# Altium PCB USB3.2_Hub_4Port.PcbDoc (part 1 of 4)
Units mm, origin at the board's own origin, x right, y up, seen from the top; angles counter-clockwise.
Board outline 100 x 50 mm, 6 copper layers (Top Layer, Int1 (GND), Int2 (Sign), Int3 (PWR), Int4 (GND), Bottom Layer), stack 1.484 mm thick; 182 components, 122 nets, 691 pads, 1354 vias.
Unrouted connection lines stored in the file: 48.
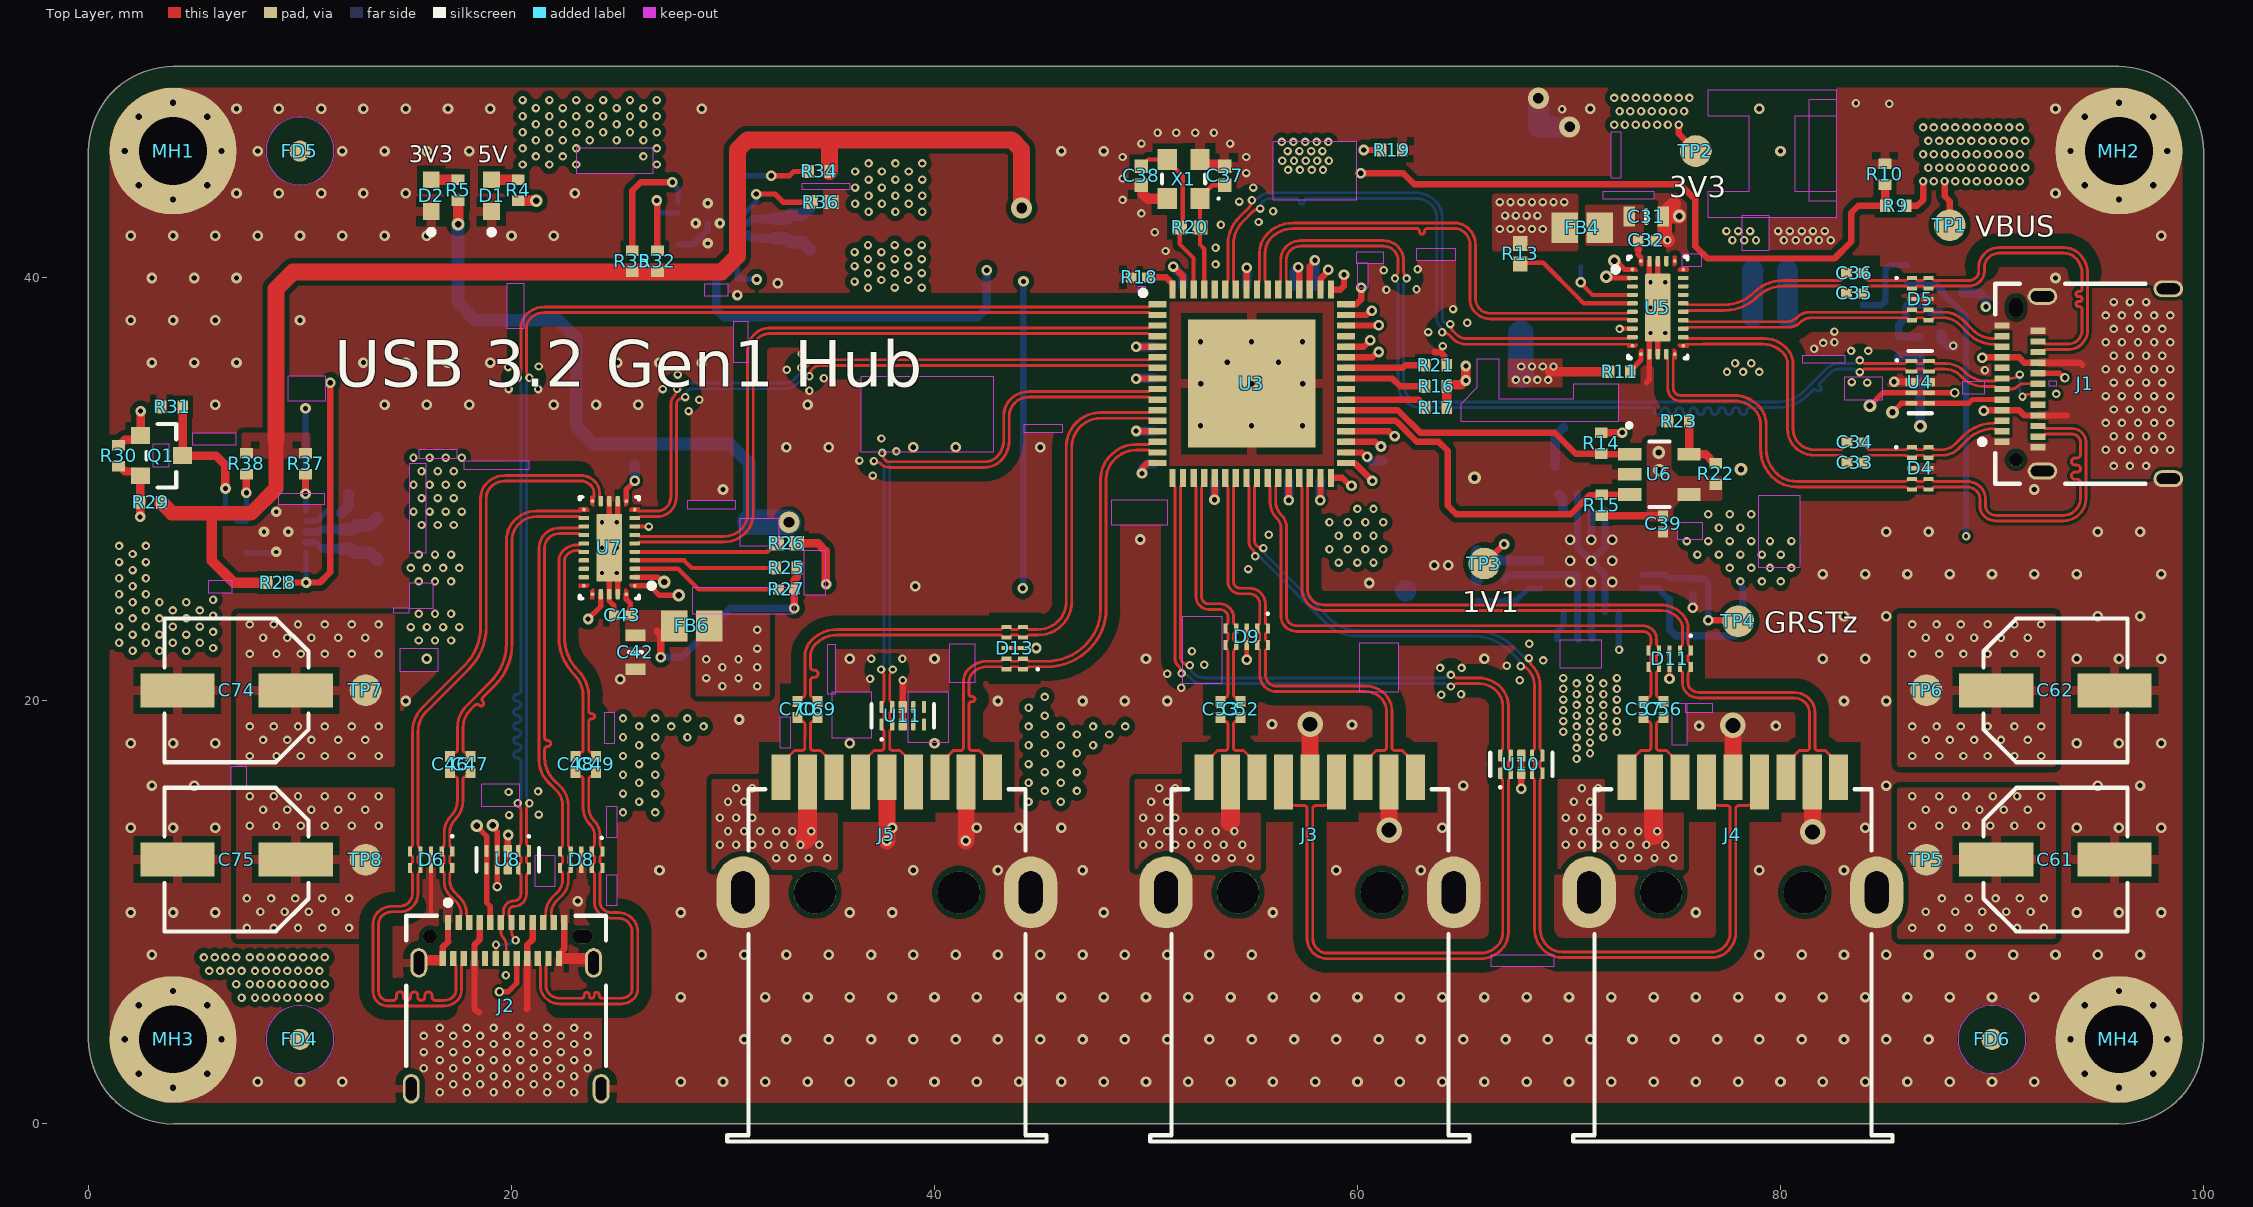
[diagram p0: Top Layer view]
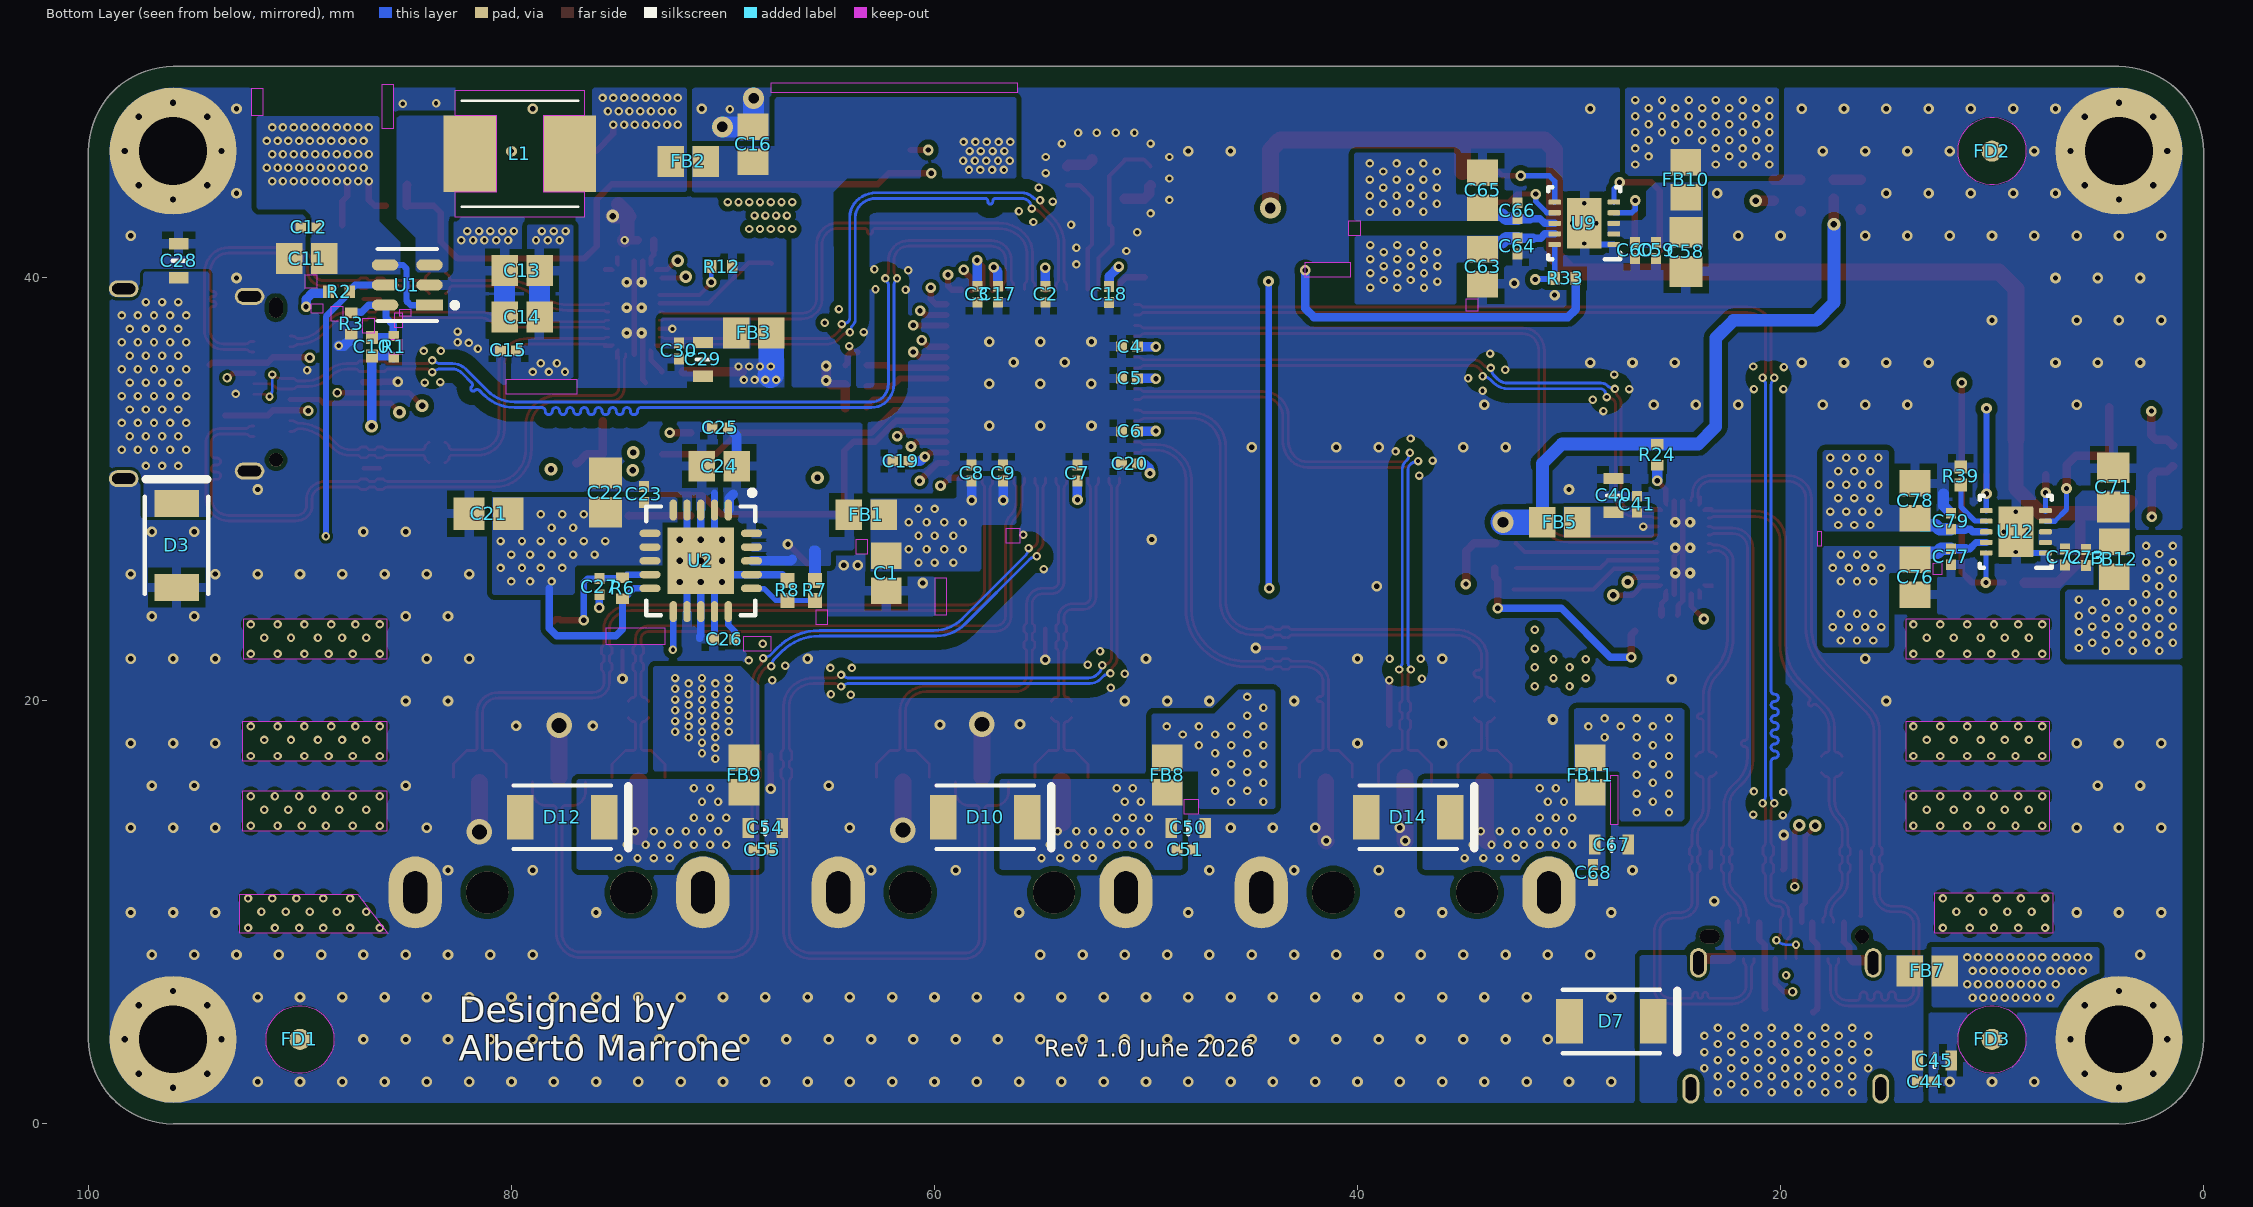
[diagram p1: Bottom Layer view, seen from below]
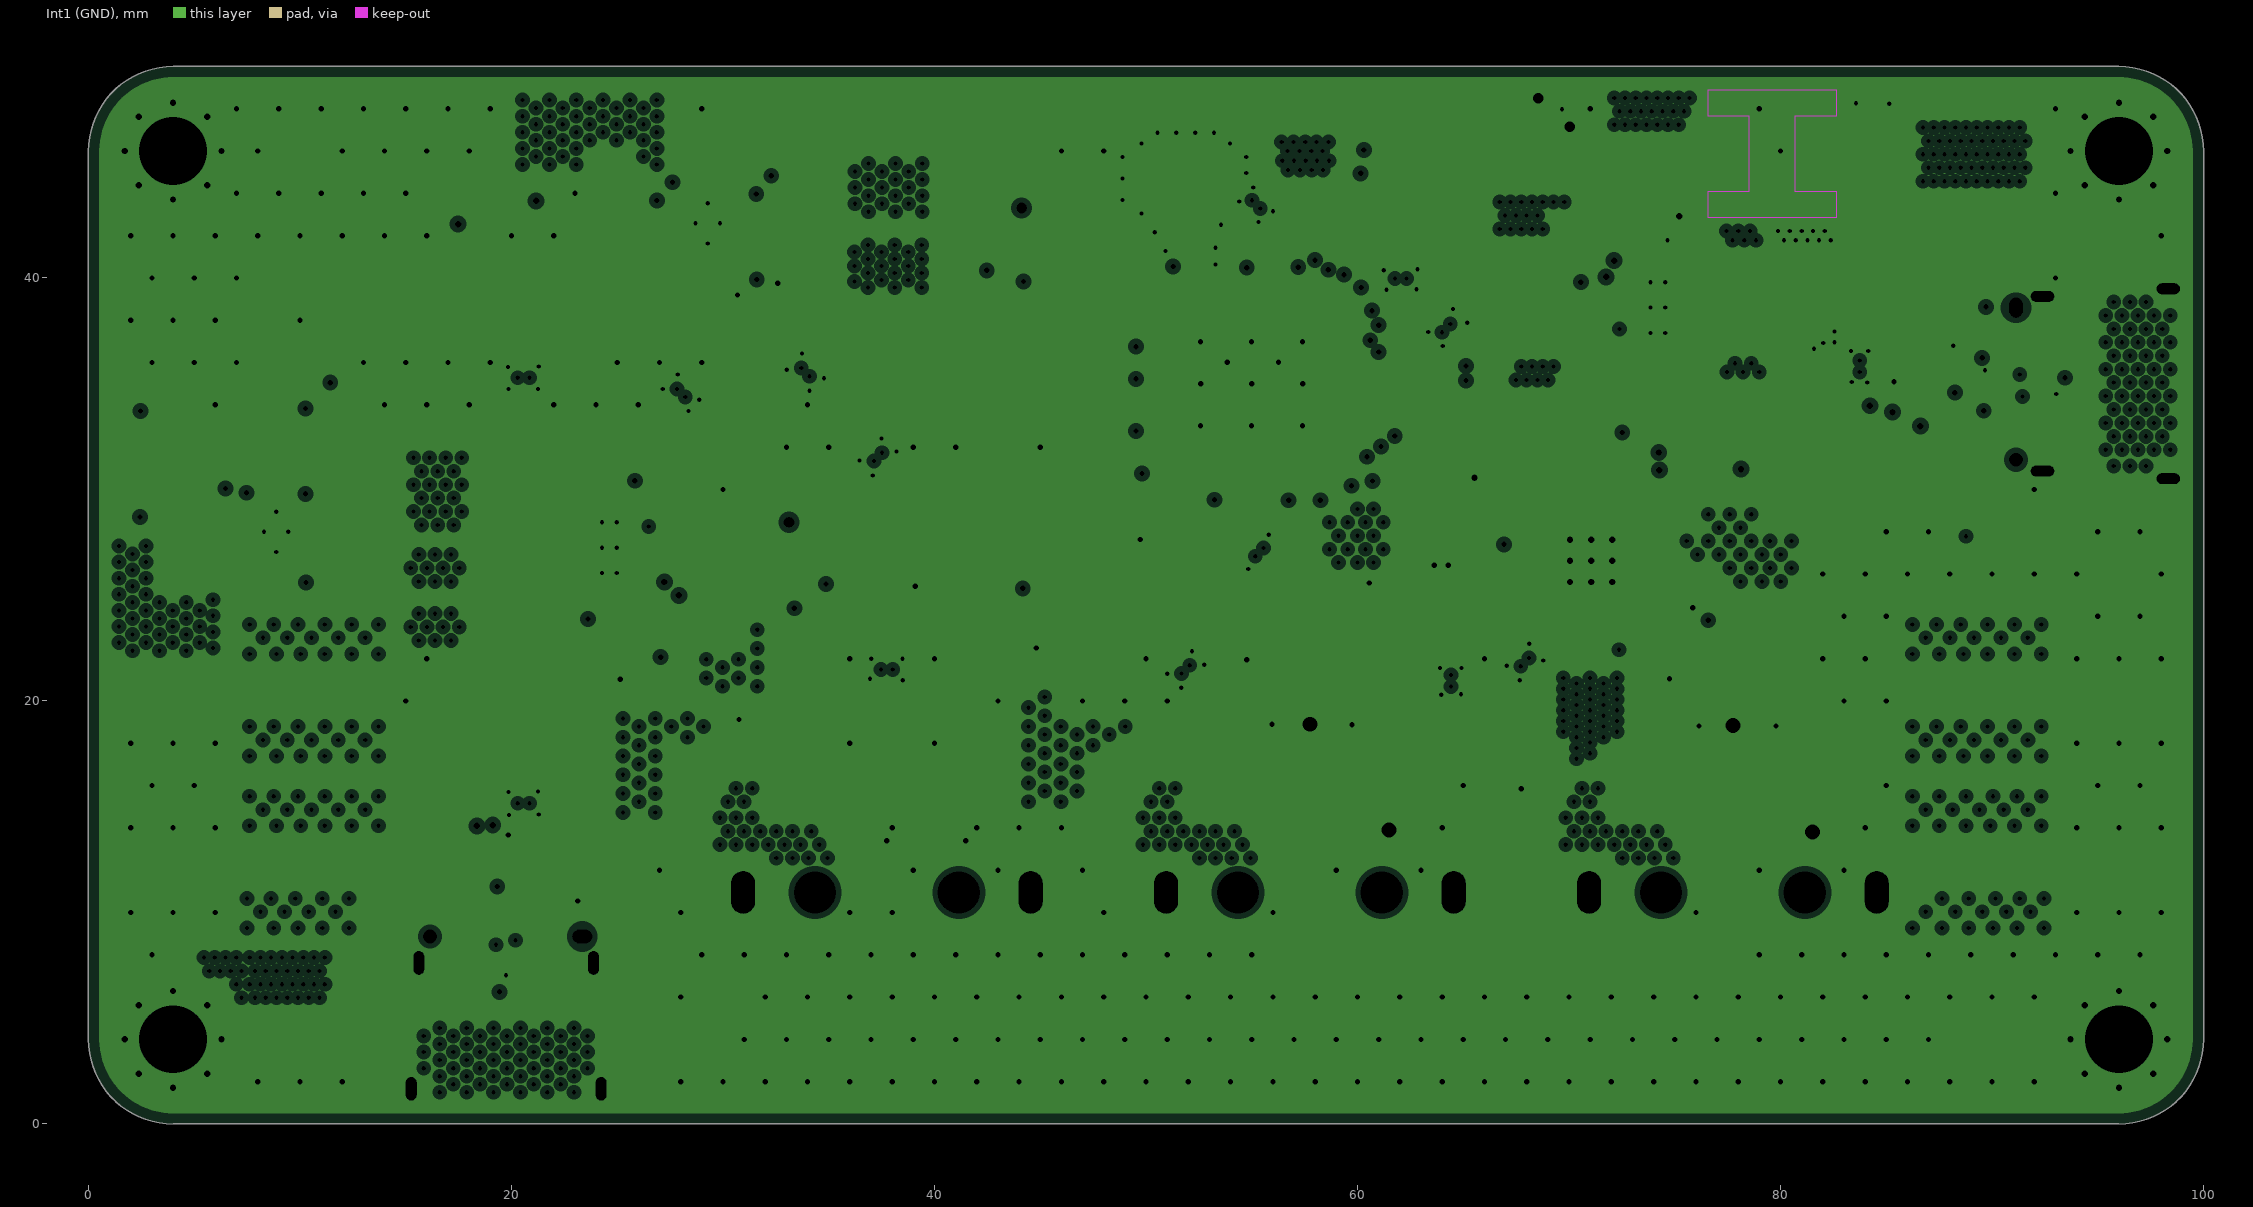
[diagram p2: Int1 (GND), clearances drawn from the general rule]
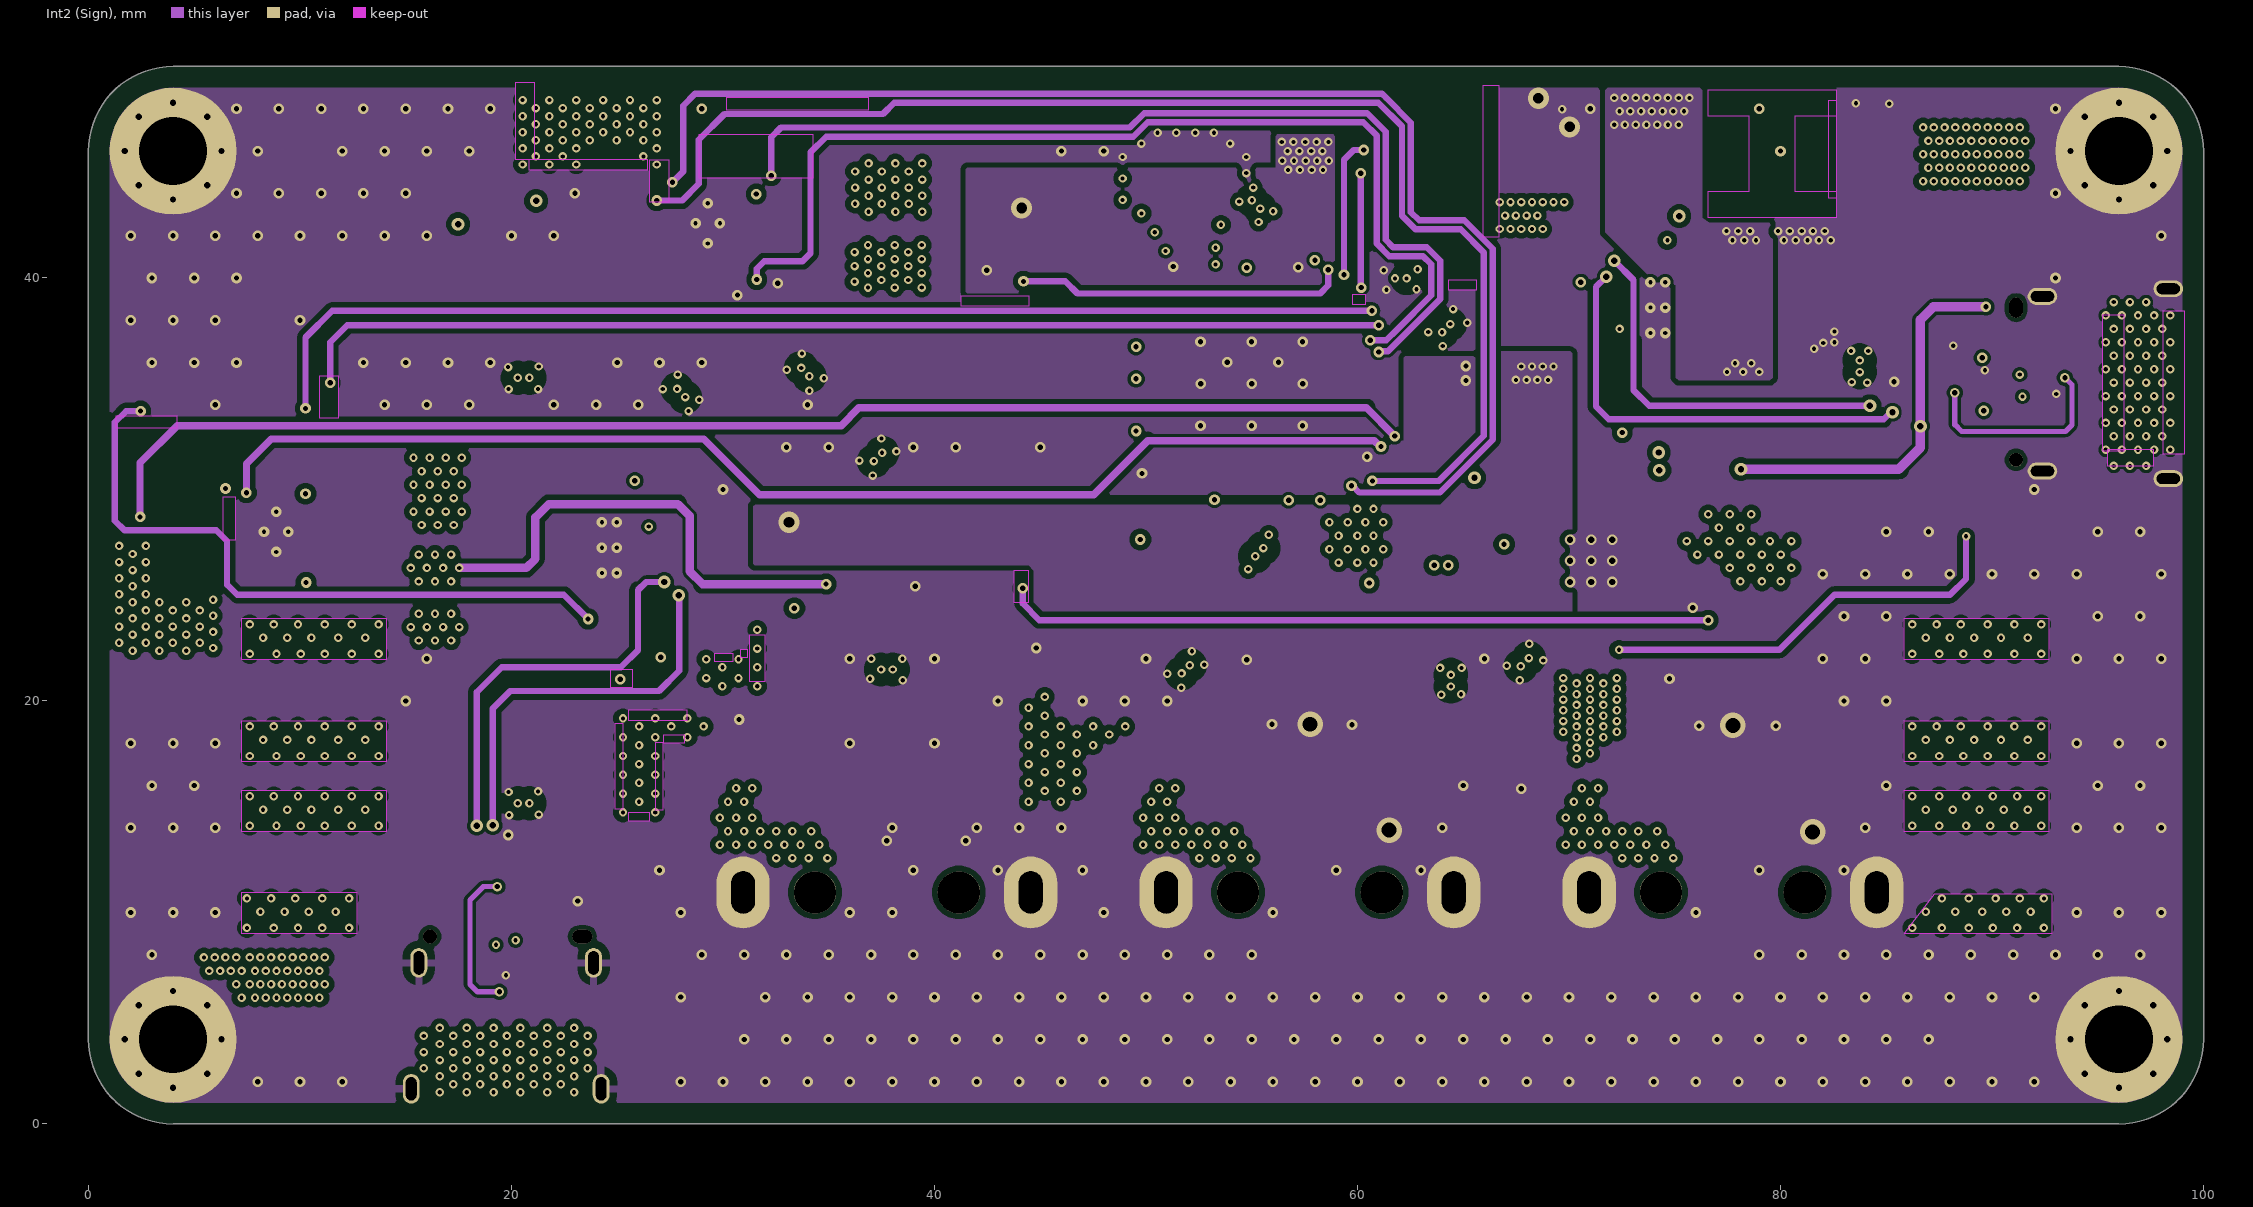
[diagram p3: Int2 (Sign)]
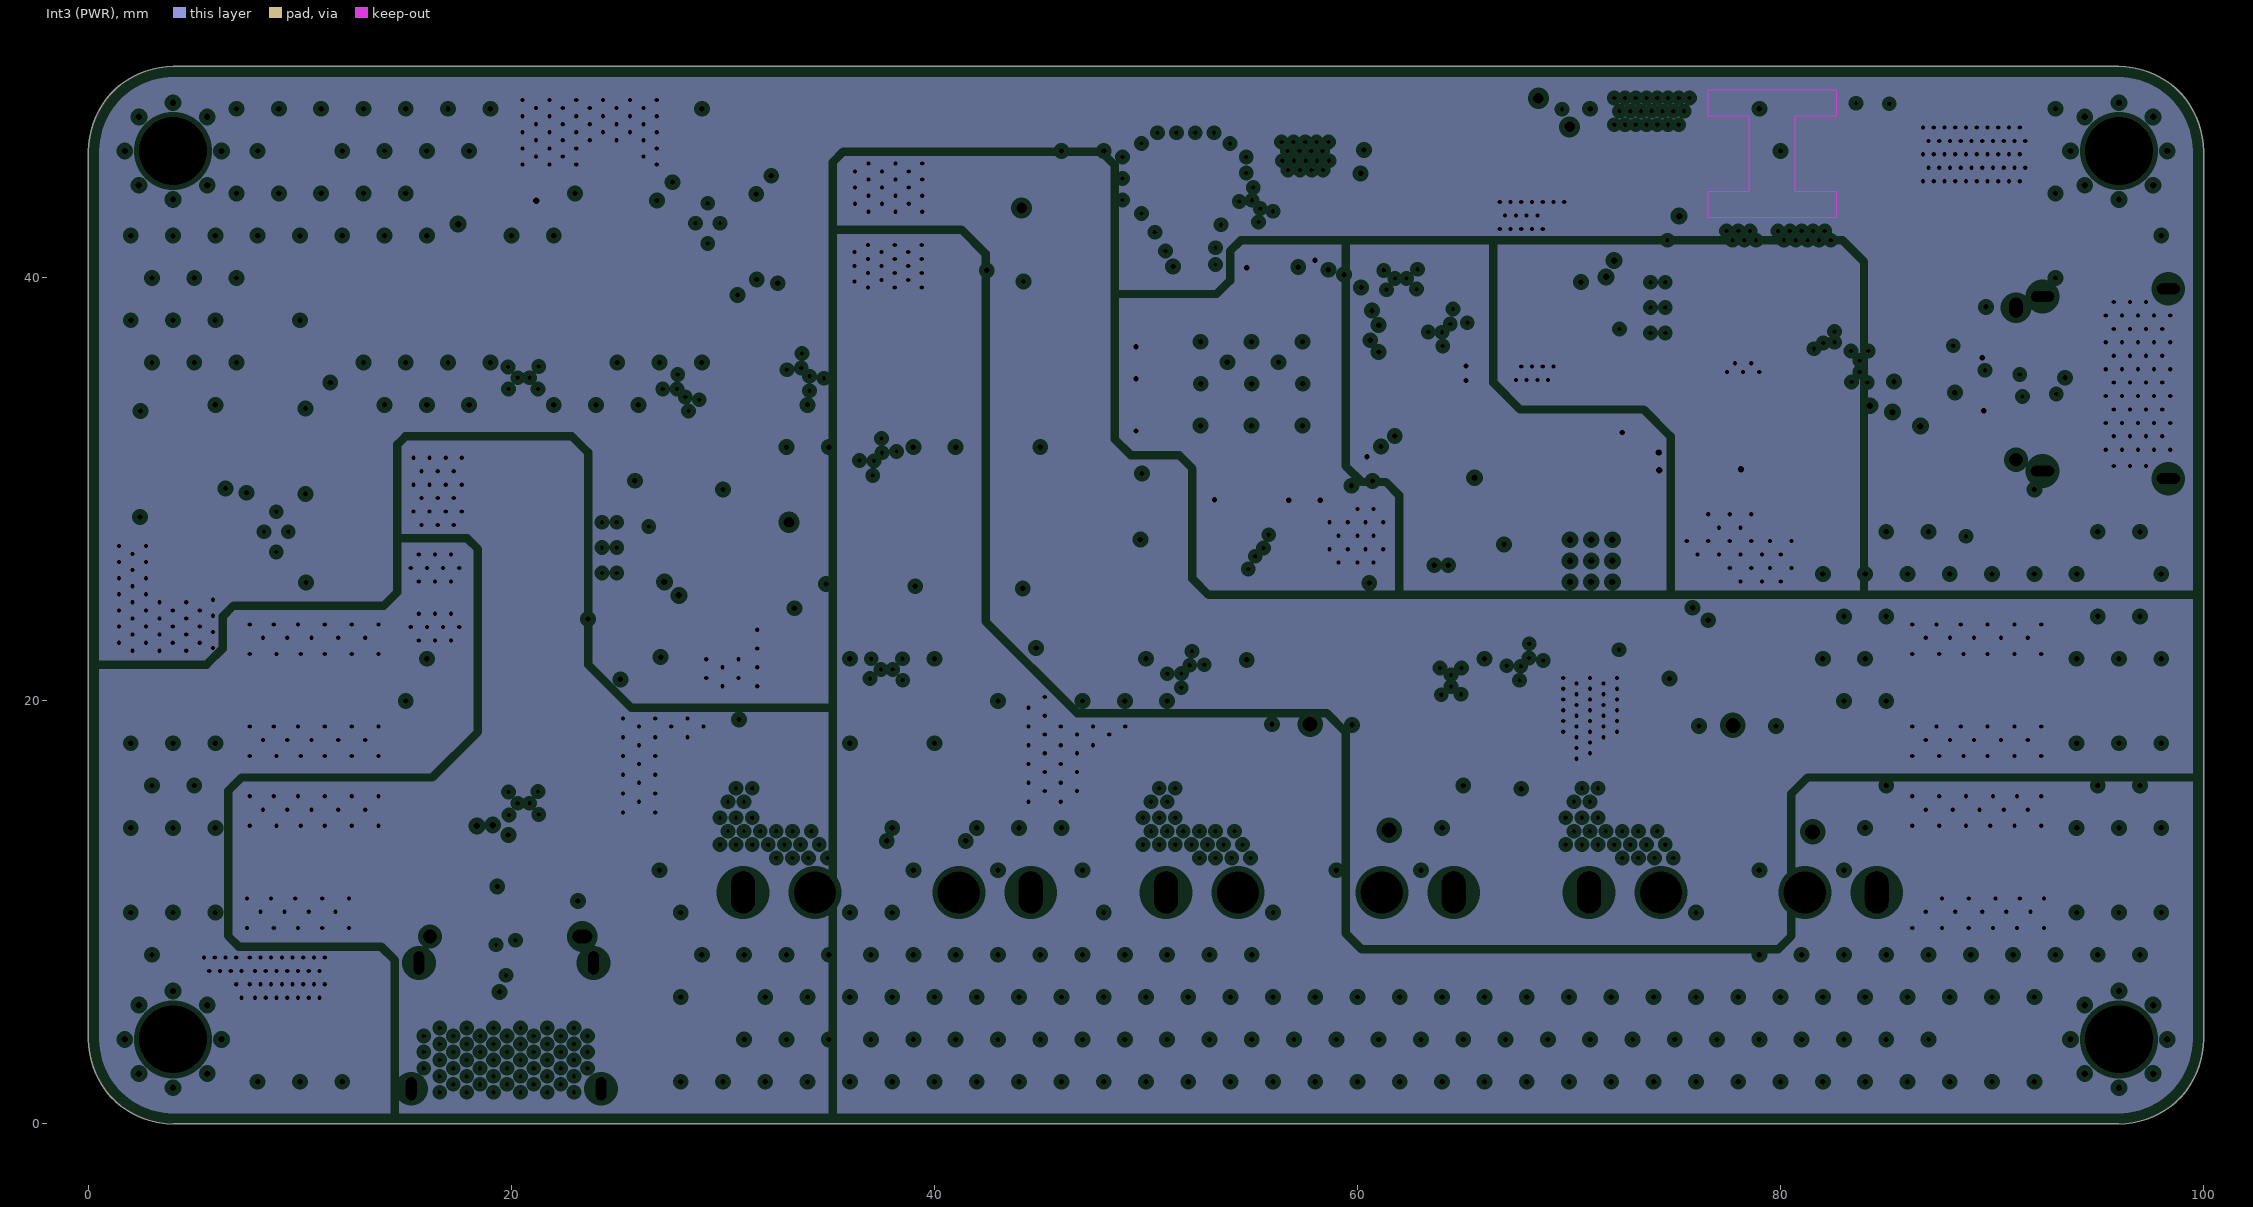
[diagram p4: Int3 (PWR), clearances drawn from the general rule]
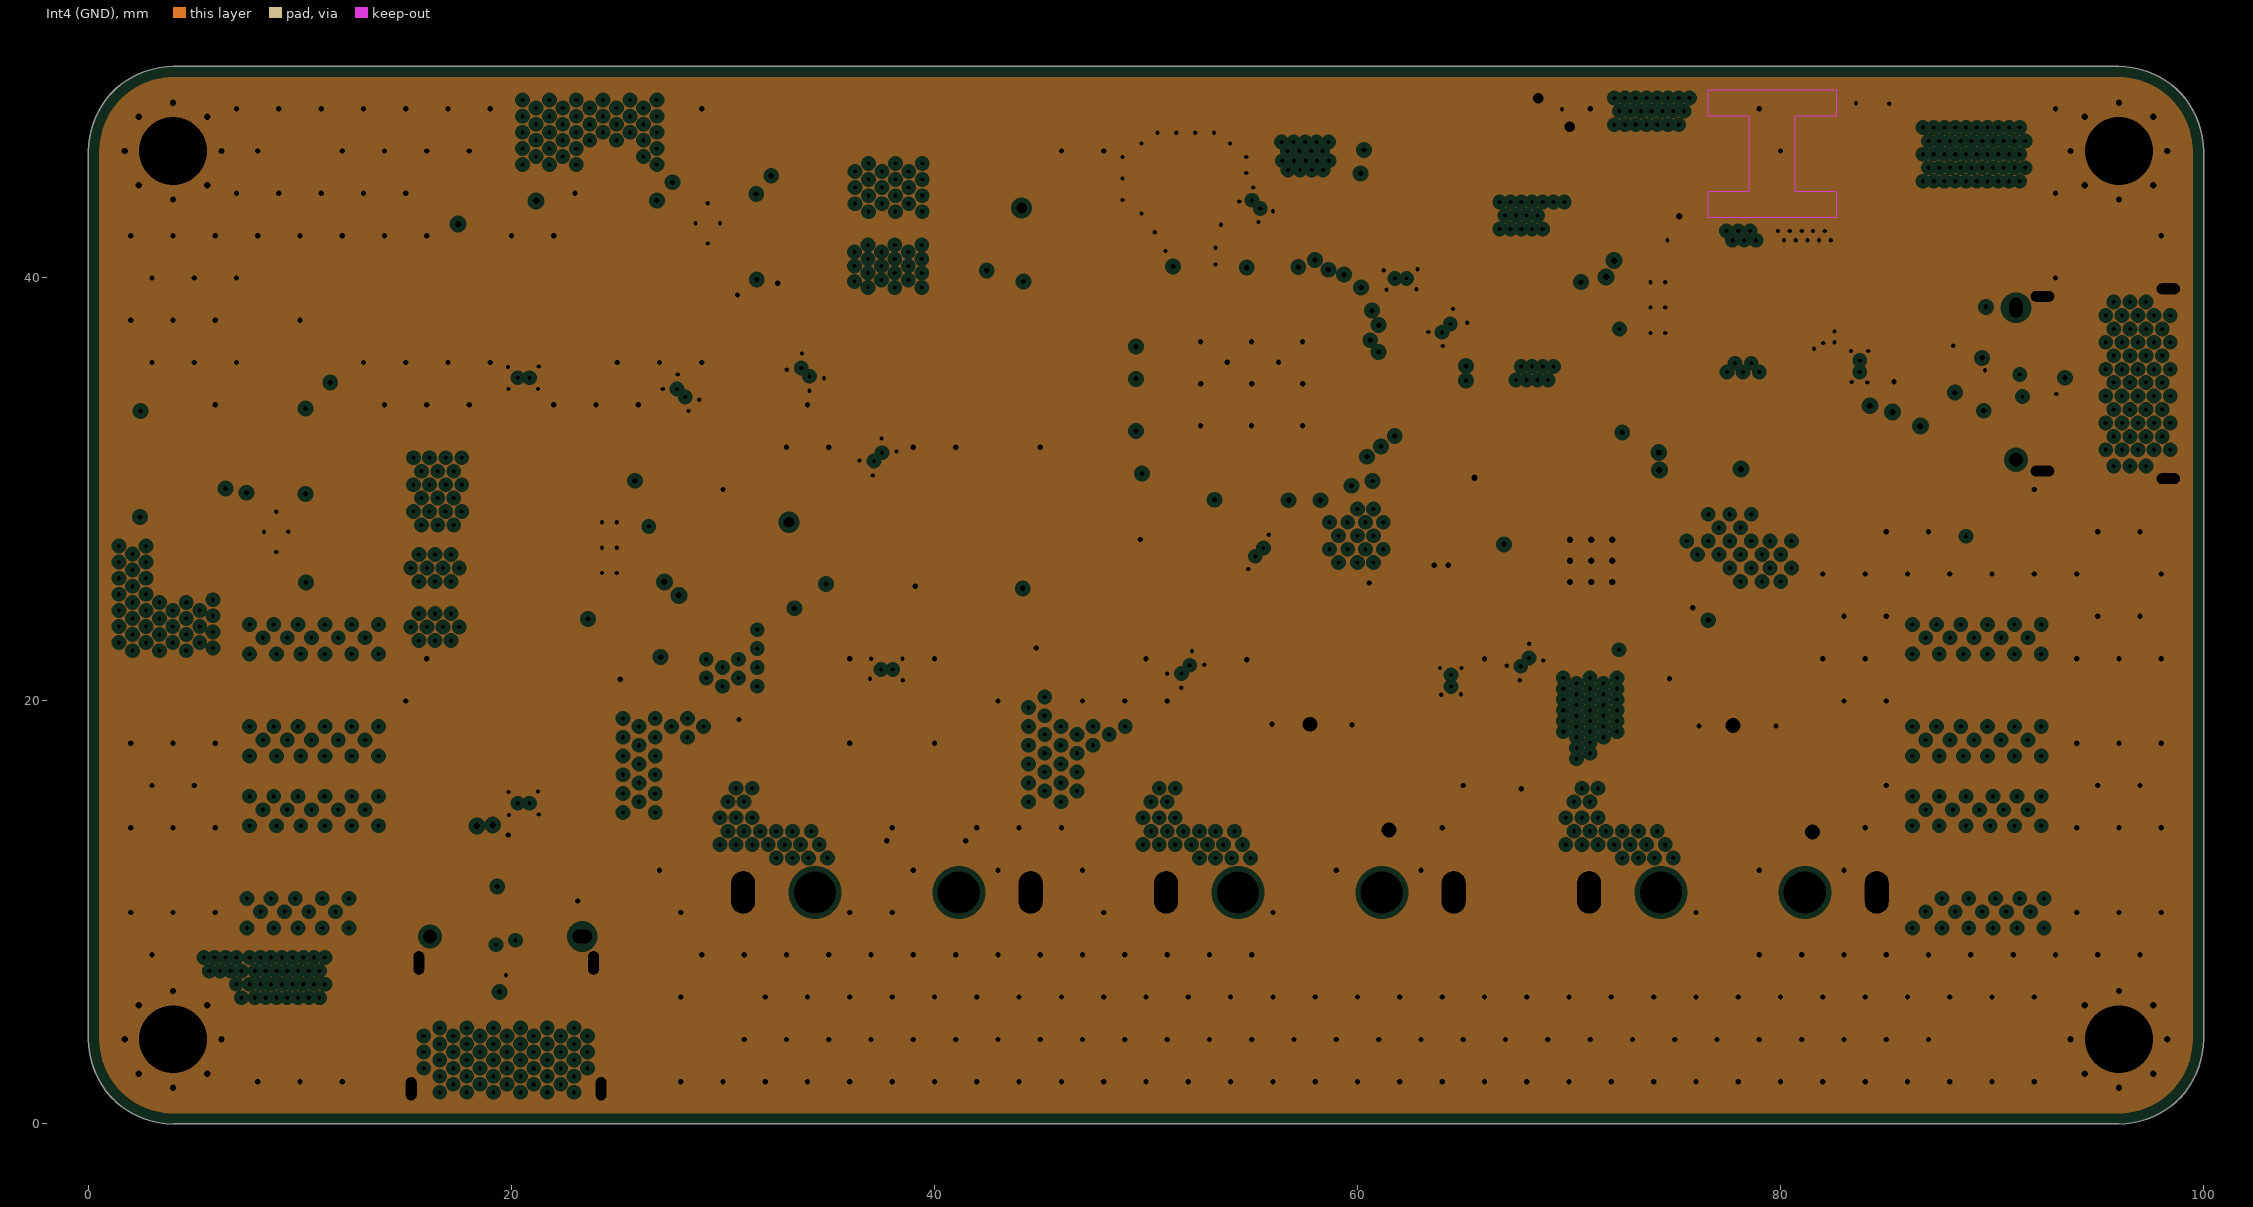
[diagram p5: Int4 (GND), clearances drawn from the general rule]
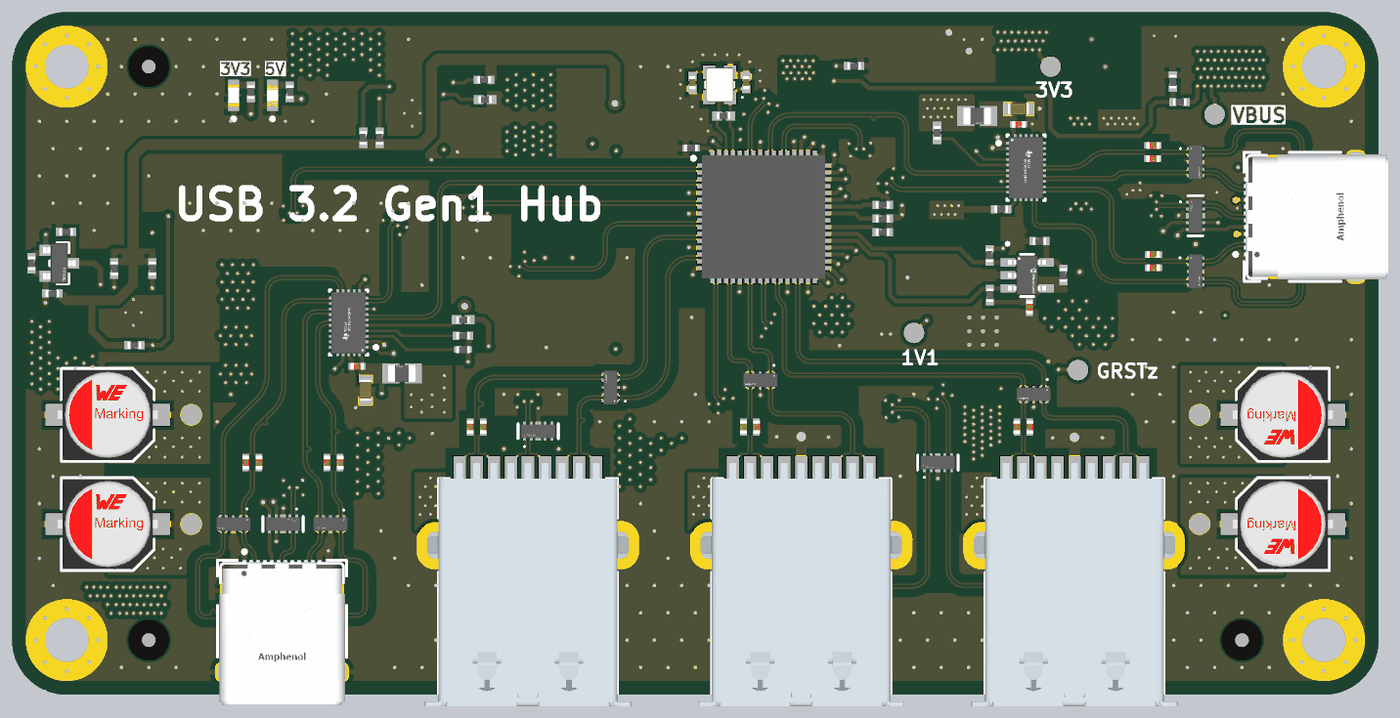
[diagram p9: 3D render of the assembled board from above, using the file's embedded part models]
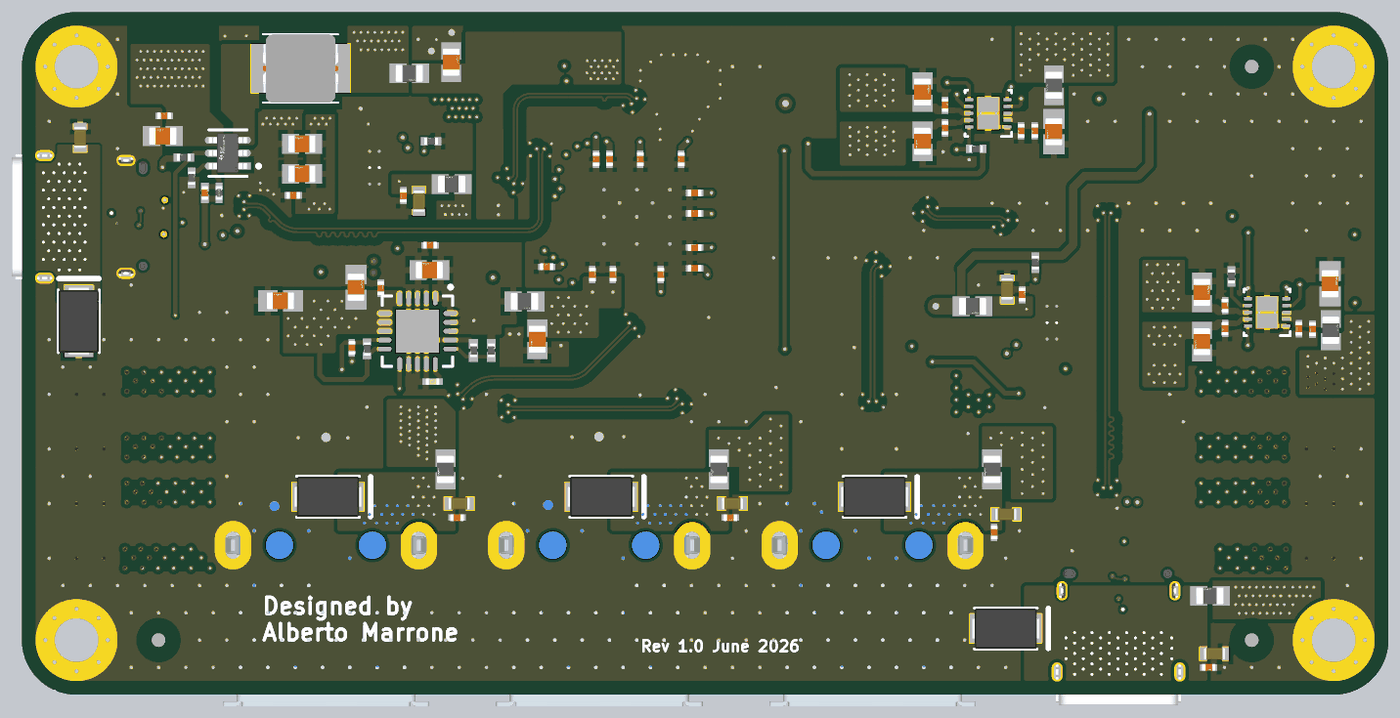
[diagram p10: 3D render of the assembled board from below, using the file's embedded part models]

## Layer stack, top to bottom
Top Solder: solder mask 0.0254, SM-001, Dk 4
Top Layer: signal copper 0.035
Dielectric 1: prepreg 0.1195, 2116, Dk 4.45
Int1 (GND): plane copper 0.035, net GND
Dielectric 2: core 0.43, Core, Dk 4.6
Int2 (Sign): signal copper 0.035
Dielectric 3: prepreg 0.175, 7628, Dk 4.74
Int3 (PWR): plane copper 0.035, net (Multiple Nets)
Dielectric 4: core 0.43, Core, Dk 4.6
Int4 (GND): plane copper 0.035, net GND
Dielectric 5: prepreg 0.1195, 2116, Dk 4.45
Bottom Layer: signal copper 0.035
Bottom Solder: solder mask 0.0254, SM-001, Dk 4

## Board outline
4,0 cw(c4,4) 0,4 0,46 cw(c4,46) 4,50 96,50 cw(c96,46) 100,46 100,4 cw(c96,4) 96,0
